# Altium PCB VM3300_V0.1.PcbDoc (continued)
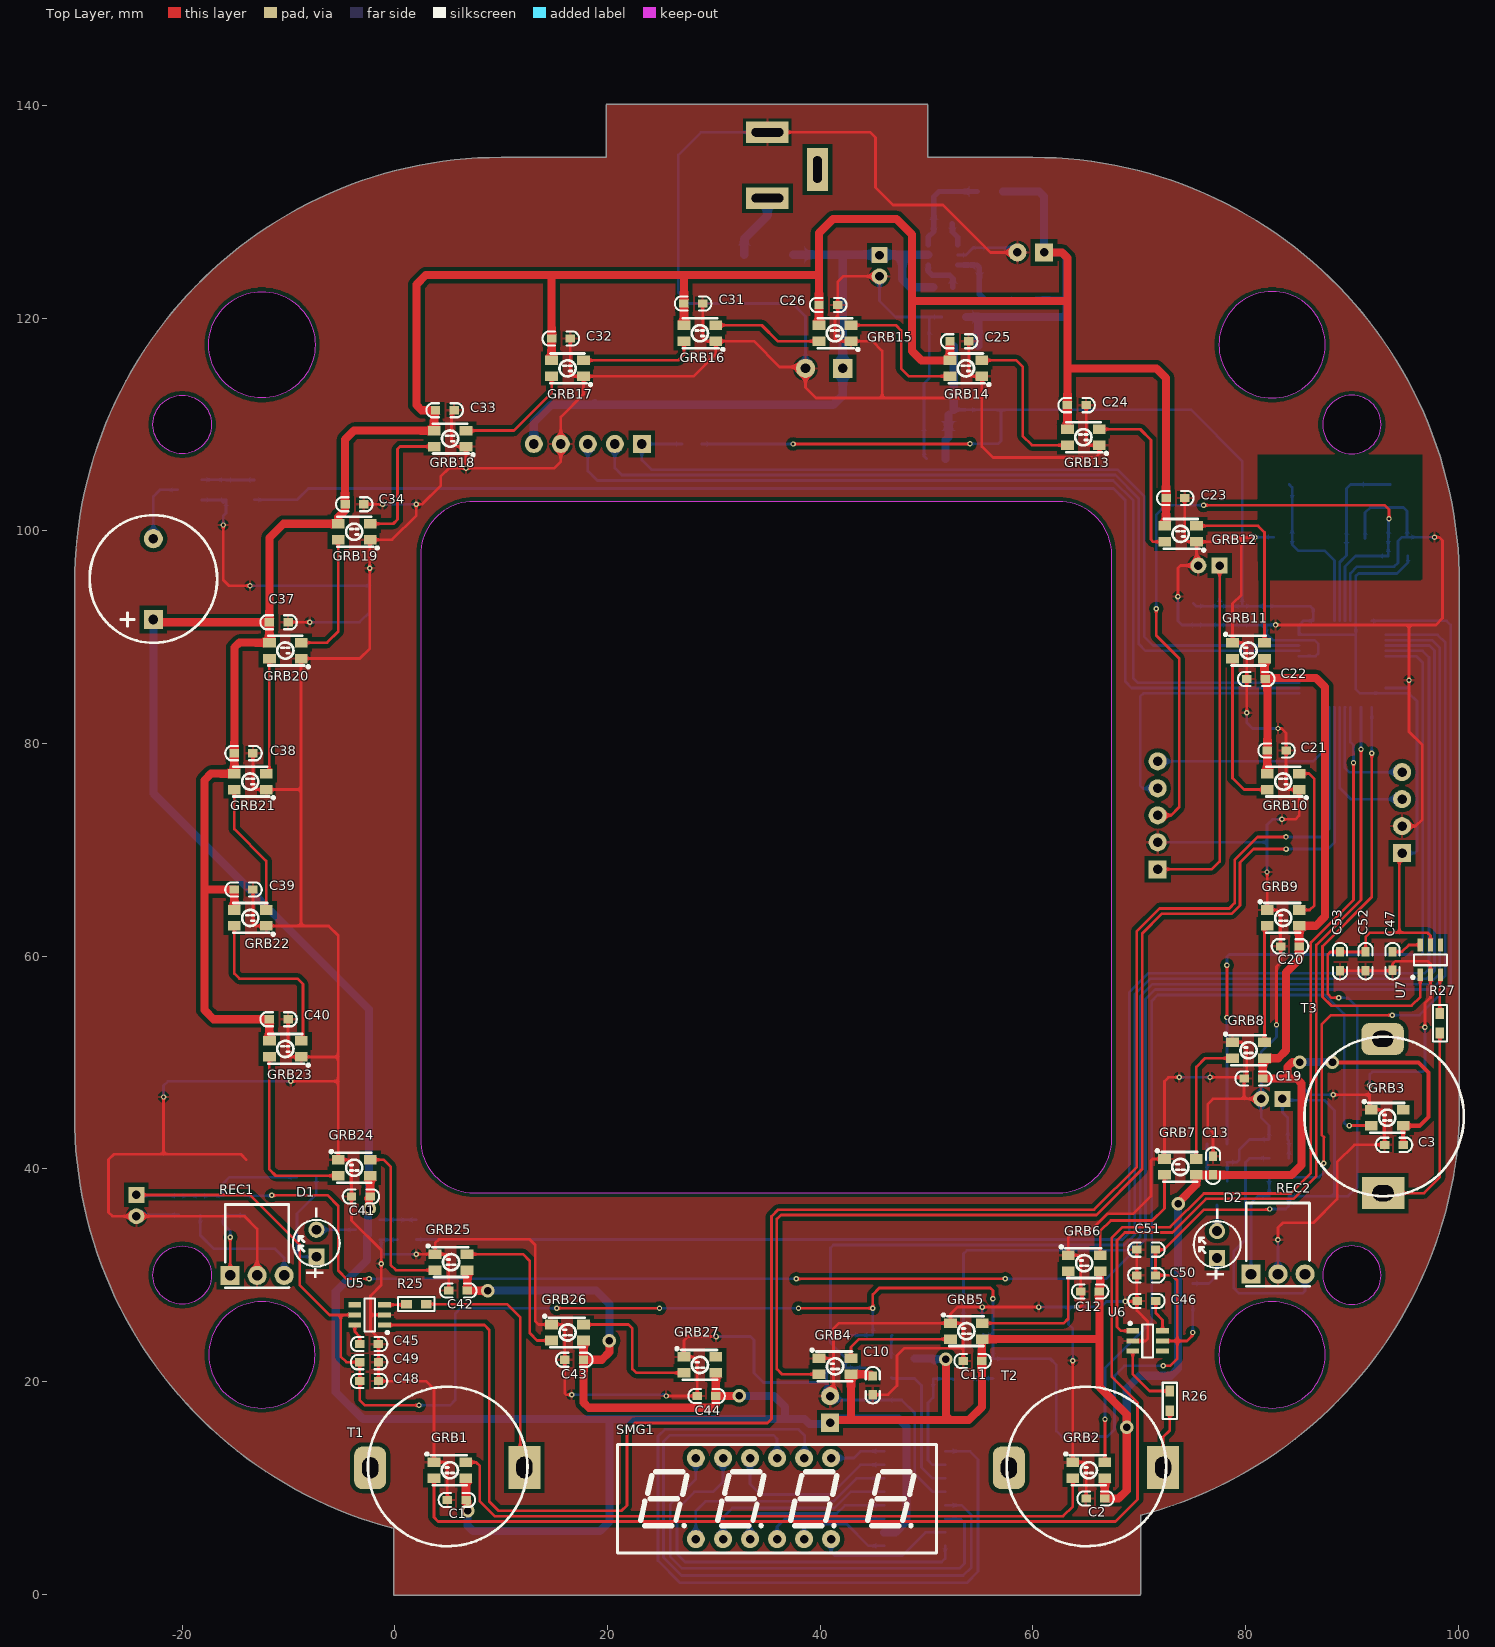
[diagram p0: Top Layer view]
## Footprints (in the part's own frame and the unit in brackets; to place one, negate y for a bottom-side part, rotate by r counter-clockwise, add the part's x,y. Pads: shape width x height; smd on the part's side, far side on the other; paste and mask are expansions set on the pad) (continued)
SWD_JOANLAB [mm] "接插件，5P"
  rect 1.7x1.7 hole 0.9: 1(10.16,0)
  round 1.7 hole 0.9: 2(7.62,0) 3(5.08,0) 4(2.54,0) 5(0,0)
  silkscreen extent -2.4,-3.45 12.6,2.49, body extent -2.5,-3.3 12.66,2.4, height 7.03
TH_Touch [mm]
  rect 4x3 hole 2 slot 1.5 at 90 deg: 1(-0.062,-13.535)
  rrect50% 4x3 hole 2 slot 1.5 at 90 deg: 2(-0.102,0.965)
  silkscreen extent -7.46,-13.82 7.54,1.17, body extent -7.53,-13.64 7.57,1.46, height 8
TK8021 [mm] "3x1.6x1.1mm(长宽高)"
  rect 0.5x1.2 smd: 1(-0.95,-1.4) 2(0,-1.4) 3(0.95,-1.4) 4(0.95,1.4) 5(0,1.4) 6(-0.95,1.4)
  silkscreen extent -1.78,-1.78 1.55,0.51, body extent -1.5,-1.4 1.5,1.4, height 1.15
TM1650 [mm]
  oval 1.745x0.56 smd: 1(-2.872,4.572) 2(-2.872,3.302) 3(-2.872,2.032) 4(-2.872,0.762) 5(-2.872,-0.508) 6(-2.872,-1.778) 7(-2.872,-3.048) 8(-2.872,-4.318) 9(2.872,-4.318) 10(2.872,-3.048) 11(2.872,-1.778) 12(2.872,-0.508) 13(2.872,0.762) 14(2.872,2.032) 15(2.872,3.302) 16(2.872,4.572)
  silkscreen extent -3.02,-4.95 1.77,5.45, body extent -3,-4.87 3,5.13, height 1.9
WS2812B-3528 [mm] "外观尺寸（L/W/H）:3.5*2.8*1.9mm"
  rect 1.2x0.9 smd: 1(-1.5,0.75) 2(-1.5,-0.75) 3(1.5,-0.75) 4(1.5,0.75)
  silkscreen extent -1.6,-1.65 2.29,1.4, body extent -1.75,-1.4 1.75,1.4, height 1.85
XH2.54-4P [mm] "接插件，4P"
  rect 1.7x1.7 hole 0.9: 1(0,0)
  round 1.7 hole 0.9: 2(2.54,0) 3(5.08,0) 4(7.62,0)
  silkscreen extent -2.49,-3.45 9.88,2.49, body extent -2.5,-3.3 10.12,2.4, height 7.03
XH2.54-5P [mm] "接插件，5P"
  rect 1.7x1.7 hole 0.9: 1(0,0)
  round 1.7 hole 0.9: 2(2.54,0) 3(5.08,0) 4(7.62,0) 5(10.16,0)
  silkscreen extent -2.4,-3.45 12.6,2.49, body extent -2.5,-3.3 12.66,2.4, height 7.03
"XTAL-49S SMD" [mm]
  rect 5x2 smd: 1(-4.75,0) 2(4.75,0)
  silkscreen extent -5.7,-2.4 5.7,2.4, body extent -6.7,-2.46 6.7,2.44, height 4

## Part data
B1: library part BEEP, "蜂鸣器", 学习资源=www.o
C1 C2 C3 C4 C5 C6 C7 C8 C9 C10 C11 C12 C13 C14 C15 C16 C17 C18 C19 C20 C21 C22 C23 C24 C25 C26 C27 C28 C30 C31 C32 C33 C34 C35 C36 C37 C38 C39 C40 C41 C42 C43 C44 C45 C46 C47 C48 C49 C50 C51 C52 C53: library part C, "无极性贴片电容", 学习资源=www.o
CON1: library part P-DC, "低压电源接口", BOM名称=DC, 学习资源=www.o
D1 D2: "红外发射管"
E1 E2 E3 E4 E5 E6 E7: library part C-CAP, "直插电解电容", 学习资源=www.o
JP1 SWD1: library part "Header 5", "5P接插件", BOM名称=5, 学习资源=www.o
L1: library part L-CD, "贴片功率电感", 学习资源=www.o
Q1 Q2: "N-MOS"
Q3 Q4 Q5: library part NPN
R1 R2 R3 R4 R5 R6 R7 R8 R9 R10 R11 R12 R13 R14 R15 R16 R17 R18 R19 R20 R21 R22 R23 R24 R25 R26 R27 R30: library part R, "贴片电阻", 学习资源=www.o
REC1 REC2: "红外接收管"
SMG1: "JOANLAB-0.28寸4位共阴数码管"
T1 T2 T3: "触摸弹簧，用于触摸感应"
U1: "STM32F030采用ARM Cortex内核，运算速度高达48 MHz。STM32F030是STM32系列中价格最低的产品，具有全套外设，例如高Ë"
U2: "DC-DC电源芯片  24-40V->5V"
U3: "转3.3V电压"
U4: "TM1650是一种带键盘扫描接口的LED（发光二极管显示器）驱动控制专用IC,内部集成有MCU / 数"
U5 U6 U7: library part TTP2233, "单通道自校正触摸感应芯片"
UART: library part "Header 4", "4P接插件", BOM名称=4, 学习资源=www.o
VD1: "肖特基二极管"
Y1: library part XTAL-2, "2脚晶振", 学习资源=www.o

## Via types
v1: diameter 0.508, hole 0.254, Top Layer to Bottom Layer, tented both sides, 66 vias
v2: diameter 1.27, hole 0.711, Top Layer to Bottom Layer, tented both sides, 10 vias

## Nets (pads, with @x,y where several pads share a name; then routed paths per layer and width w, separated by ;. In a path a pad name is that pad's centre, name@x,y a point inside that pad or via, vN(x,y) a via of type N, cw(c..) or ccw(c..) an arc to the next point about the centre after c; other vN are vias at no path point)
3.3V: C5.2 C6.2 C7.2 C8.2 C16.2 C17.2 C35.1 C36.1 C48.2 C49.2 C50.2 C51.2 C52.2 C53.2 E2.1 E5.1 E6.1 R1.2 R5.2 R6.2 R7.2 R9.2 R11.2 R12.2 R13.1 R14.1 R17.2 R18.2 R30.2 SWD1.1 U1.1 U1.9 U1.24 U1.48 U3.2 U5.5 U6.5 U7.5 UART.1 | length 450.2
  Top Layer w0.254: E5.1 -13.608,37.542 -8.96,32.894 -8.96,29.083 -6.132,26.255 -5.094,26.255 ; U5.5 -5.094,26.255 ; v1(2.272,17.755) -2.818,17.755 -3.291,18.228 C48.2 C49.2 -4.548,21.81 -5.094,22.356 -5.094,26.255 ; v1(15.226,26.89) v1(24.892,26.89) ; v1(37.451,108.17) 54.075,108.17 v1(54.088,108.182) ; v1(37.959,26.89) v1(44.958,26.89) 44.958,28.196 45.557,28.795 55.996,28.795 56.247,28.544 v1(56.247,27.779) ; SWD1.1 76.821,68.165 77.567,68.911 E2.1 ; U6.5 73.595,23.809 ; v1(72.263,21.463) 72.906,21.463 73.595,22.152 73.595,23.809 ; v1(75.043,24.604) 75.043,24.35 74.502,23.809 73.595,23.809 ; v1(82.28,36.223) 82.217,36.161 76.107,36.161 72.34,32.394 C51.2 C50.2 73.087,29.981 73.595,29.473 73.595,23.809 ; v1(88.781,56.1) 88.063,56.1 87.743,56.42 87.743,60.164 87.971,60.392 C53.2 C52.2 91.299,61.815 91.68,62.196 94.474,62.196 ; UART.1 94.474,69.435 94.474,62.196 ; U7.5 97.395,61.942 97.141,62.196 94.474,62.196
  Bottom Layer w0.254: E5.1 -24.233,37.469 R17.2 R11.2 -16.143,38.603 -15.537,39.209 R13.1 ; v1(2.272,17.755) 5.194,17.755 5.68,18.241 5.68,26.382 6.188,26.89 v1(15.226,26.89) ; v1(24.892,26.89) v1(37.959,26.89) ; R30.2 v1(37.451,108.17) ; R9.2 R6.2 44.958,24.402 v1(44.958,26.89) ; C16.2@51.776,108.525 C16.2 C16.2@52.145,108.716 ; U3.2@52.056,110.885 52.564,111.393 57.009,111.393 ; v1(54.088,108.182) 56.729,108.182 57.009,108.462 57.009,111.393 ; R7.2 55.394,24.35 56.247,24.35 ; v1(56.247,27.779) 56.247,24.35 ; v1(72.263,21.463) 68.608,21.463 67.677,20.532 67.677,15.494 67.007,14.825 62.731,14.825 62.216,15.34 62.216,21.556 61.638,22.133 R5.2 56.247,24.35 ; v1(75.043,24.604) R14.1 ; C8.2@75.093,93.184 C8.2 C7.2 ; E2.1 77.567,92.939 C7.2 ; v1(82.28,36.223) 83.781,36.223 84.08,36.522 R12.2 88.378,37.431 ; R18.2 84.08,42.654 C36.1 83.969,44.82 83.473,45.316 E6.1 83.6,46.448 87.42,46.448 88.378,45.49 88.378,37.431 ; v1(88.781,56.1) 89.605,56.1 90.517,55.187 90.517,38.3 89.648,37.431 88.378,37.431 ; UART.1 95.915,69.689 96.125,69.898 96.125,83.973 95.379,84.719 U1.24 90.783,84.719 90.364,85.137 90.364,90.136 ; R1.2 95.274,97.032 94.233,95.991 90.626,95.991 90.364,95.729 U1.9 90.364,90.136 ; 57.009,111.393 74.855,111.393 79.691,106.557 C6.2 ; C7.2 C6.2 ; C6.2 C5.2 86.117,92.904 86.364,92.657 U1.1 85.466,91.542 85.041,91.117 U1.48 90.281,90.219 90.364,90.136
  Bottom Layer w0.762: C17.2 C16.2@51.776,108.525 ; C16.2 U3.2@52.056,110.885 ; U3.2@52.564,111.393 U3.2@52.564,117.393
5V: B1.1 C1.2 C2.2 C3.2 C10.2 C11.2 C12.2 C13.2 C15.2 C19.2 C20.2 C21.2 C22.2 C23.2 C24.2 C25.2 C26.2 C30.2 C31.2 C32.2 C33.2 C34.2 C37.2 C38.2 C39.2 C40.2 C41.2 C42.2 C43.2 C44.2 E3.1 E4.1 GRB1.1 GRB2.1 GRB3.1 GRB4.1 GRB5.1 GRB6.1 GRB7.1 GRB8.1 GRB9.1 GRB10.1 GRB11.1 GRB12.1 GRB13.1 GRB14.1 GRB15.1 GRB16.1 GRB17.1 GRB18.1 GRB19.1 GRB20.1 GRB21.1 GRB22.1 GRB23.1 GRB24.1 GRB25.1 GRB26.1 GRB27.1 L1.2 R2.2 R8.2 R10.2 U3.3 U4.10 | length 727.2
  Top Layer w0.381: GRB1.1 GRB1.1@6.691,10.879 ; C1.2 C1.2@6.844,8.703 ; v2(88.183,50.004) 96.252,50.004 97.191,49.064 97.191,44.887 96.351,44.047 GRB3.1 94.829,44.045 C3.2
  Top Layer w0.762: B1.1 -22.461,91.406 C37.2 ; GRB22.1 -15.102,64.344 C39.2 -17.921,66.26 ; GRB23.1 -11.8,52.025 C40.2 -17.044,54.068 -17.921,54.945 -17.921,66.26 ; v2(-2.427,36.223) -2.427,37.078 -2.54,37.191 C41.2 -2.326,39.346 GRB24.1 ; C1.2 GRB1.1@6.691,10.879 ; GRB25.1 6.818,30.434 C42.2 v2(8.749,28.541) ; v2(6.844,7.84) C1.2@6.844,8.703 ; GRB17.1 14.743,116.033 C32.2 14.743,123.943 14.845,124.045 ; GRB26.1@17.754,23.842 GRB26.1 17.74,23.852 C43.2 ; v2(20.179,23.842) 20.179,22.762 19.455,22.038 C43.2 ; GRB16.1 27.189,119.335 C31.2 27.189,124.019 27.164,124.045 ; GRB27.1 30.186,20.804 C44.2 ; v2(32.371,18.635) C44.2 ; 39.864,124.045 27.164,124.045 ; GRB15.1 39.889,119.335 C26.2 39.889,128.007 41.214,129.332 47.184,129.332 48.641,127.875 48.641,121.632 ; E4.1@40.928,16.365 42.912,16.365 ; C10.2 44.789,20.669 GRB4.1 42.896,16.381 42.912,16.365 ; v2@52.021,22.098 v2(51.816,22.098) 51.816,16.76 52.07,16.506 51.929,16.365 ; C25.2 52.207,117.832 GRB14.1 49.525,116.034 48.641,116.918 48.641,121.632 ; E3.1 62.744,126.184 63.256,125.672 63.256,121.759 ; GRB13.1 63.256,115.282 ; GRB6.1 66.329,28.544 C12.2 66.254,23.98 ; GRB2.1 66.764,8.984 C2.2 68.058,8.983 68.836,9.761 v2(68.836,15.705) 68.836,16.891 66.254,19.473 66.254,23.98 ; GRB12.1 72.528,100.595 C23.2 72.528,114.367 71.614,115.282 63.256,115.282 ; v2(73.66,36.703) 73.66,36.793 75.374,38.507 GRB7.1 C13.2 84.316,39.42 85.262,40.366 85.262,40.752 85.284,40.774 85.284,48.018 84.822,48.48 83.933,48.48 ; GRB11.1 C22.2@81.784,86.163 ; GRB10.1 82.052,79.327 C21.2 82.065,85.882 C22.2 C22.2@81.784,86.163 ; v2(85.09,50.038) 84.413,50.038 83.933,49.558 83.933,48.48 ; -17.921,66.26 -17.921,76.547 -17.298,77.17 GRB21.1 -15.102,77.171 C38.2 -15.102,89.018 -14.631,89.489 GRB20.1 -11.8,89.49 C37.2 ; C37.2 -11.8,99.349 -10.484,100.665 GRB19.1 -5.324,101.293 -4.688,101.929 C34.2 -4.688,108.576 -3.836,109.428 GRB18.1 3.693,111.216 C33.2 2.518,111.345 2.018,111.845 2.018,123.156 2.907,124.045 14.845,124.045 ; 14.845,124.045 27.164,124.045 ; C43.2 17.74,18.025 18.239,17.526 29.865,17.526 30.186,17.847 C44.2 ; 42.912,16.365 51.929,16.365 ; 48.641,121.632 63.129,121.632 63.256,121.759 ; 51.929,16.365 53.977,16.365 55.205,17.593 C11.2 55.205,23.934 GRB5.1 66.254,23.98 ; 63.256,115.282 63.256,121.759 ; C22.2@81.784,86.163 86.642,86.163 87.489,85.316 87.489,63.72 86.612,62.843 GRB9.1 85.05,62.841 C20.2 85.05,59.68 83.818,58.448 83.818,51.13 83.084,50.397 GRB8.1 81.621,50.234 C19.2 83.933,48.48
  Bottom Layer w0.762: B1.1 -22.714,75.292 -2.427,55.005 v2(-2.427,36.223) ; v2@-2.54,36.035 -2.427,36.148 v2(-2.427,36.223) ; v2(6.844,7.84) 6.844,6.443 7.352,5.935 19.29,5.935 20.179,6.824 20.179,16.349 ; v2(8.749,28.541) 18.909,28.541 20.179,27.271 v2(20.179,23.842) ; v2(32.371,18.635) 35.673,18.635 36.689,17.619 36.689,16.565 ; U4.10 47.083,5.808 48.133,6.858 48.133,15.748 47.38,16.501 C30.2 41.314,16.501 E4.1 40.815,16.002 38.989,16.002 38.537,16.454 -2.992,16.454 -5.56,19.022 -5.56,28.456 -2.62,31.396 -2.62,33.706 -2.544,33.782 -2.544,34.758 -2.546,34.76 -2.546,36.104 v2(-2.427,36.223) ; R10.2 50.582,22.14 R8.2 50.762,21.961 50.899,22.098 v2(51.816,22.098) ; C15.2 54.977,120.108 ; U3.3 54.864,119.995 54.977,120.108 ; L1.2 60.565,131.919 61.053,131.431 E3.1 62.744,126.184 63.153,125.775 63.153,121.632 ; R2.2 63.118,121.666 63.153,121.632 ; v2(68.836,15.705) 68.836,19.352 70.024,20.54 72.994,20.54 73.66,21.206 v2(73.66,36.703) ; v2(85.09,50.038) 88.149,50.038 v2(88.183,50.004) ; 54.977,120.108 62.861,120.108 63.153,120.399 63.153,121.632
12V: E1.1 E7.1 JP1.5 R3.1 U2.5 VD1.2 | length 64
  Bottom Layer w0.8: JP1.5 13.067,110.222 14.698,111.853 18.655,111.853 ; 18.782,111.98 18.655,111.853 ; VD1.2 42.277,125.97 ; E1.1 45.542,125.97 42.277,125.97 ; E1.1@45.579,126.184 45.579,125.97 47.738,125.97 ; U2.5 50.127,125.97 47.738,125.97 ; R3.1 48.5,122.902 47.738,123.664 47.738,125.97 ; 18.655,111.853 41.233,111.853 42.122,112.742 E7.1 42.122,125.815 42.277,125.97
Beep: R19.1 U1.38 | length 116.5
  Bottom Layer w0.254: R19.1 -9.196,102.925 -8.142,103.979 67.593,103.979 68.693,102.879 68.693,85.818 69.292,85.219 U1.38
CW: JP1.3 U1.39 | length 87.5
  Bottom Layer w0.254: JP1.3 18.147,105.63 19.036,104.741 67.55,104.741 69.455,102.836 69.455,86.128 69.864,85.719 U1.39
D1: R20.1 U1.16 | length 152.7
  Bottom Layer w0.254: R20.1 68.415,33.343 69.074,34.002 69.074,56.608 70.852,58.386 96.847,58.386 97.268,58.806 97.268,87.977 97.268,88.104 96.653,88.719 U1.16
D2: R21.1 U1.17 | length 67.3
  Top Layer w0.254: v1(78.256,54.233) v1@78.279,54.256 ; v1(78.256,59.148) 78.256,54.279 v1@78.279,54.256 ; v1@78.345,54.322 v1@78.279,54.256
  Bottom Layer w0.254: R21.1 v1(78.256,54.233) ; v1(78.256,59.148) 78.256,59.948 78.472,60.164 96.506,60.164 96.681,60.339 96.681,87.596 96.058,88.219 U1.17
ETX_12V: CON1.1 VD1.1 | length 6.2
  Bottom Layer w0.8: VD1.1 32.865,127.46 35.038,129.633 CON1.1
FG: JP1.1 R30.1 U1.46 | length 82.1
  Bottom Layer w0.254: R30.1 JP1.1 23.227,106.66 24.13,105.757 67.971,105.757 70.471,103.256 70.471,90.057 71.309,89.219 U1.46
GND: C1.1 C2.1 C3.1 C5.1 C6.1 C7.1 C8.1 C9.1 C10.1 C11.1 C12.1 C13.1 C14.1 C15.1 C16.1 C17.1 C18.1 C19.1 C20.1 C21.1 C22.1 C23.1 C24.1 C25.1 C26.1 C27.1 C28.1 C30.1 C31.1 C32.1 C33.1 C34.1 C35.2 C36.2 C37.1 C38.1 C39.1 C40.1 C41.1 C42.1 C43.1 C44.1 C45.2 C46.2 C47.2 C48.1 C49.1 C50.1 C51.1 C52.1 C53.1 CON1.2 E1.2 E2.2 E3.2 E4.2 E5.2 E6.2 E7.2 GRB1.3 GRB2.3 GRB3.3 GRB4.3 GRB5.3 GRB6.3 GRB7.3 GRB8.3 GRB9.3 GRB10.3 GRB11.3 GRB12.3 GRB13.3 GRB14.3 GRB15.3 GRB16.3 GRB17.3 GRB18.3 GRB19.3 GRB20.3 GRB21.3 GRB22.3 GRB23.3 GRB24.3 GRB25.3 GRB26.3 GRB27.3 JP1.4 Q3.2 Q4.2 Q5.2 R4.1 R22.1 R23.1 R24.1 REC1.2 REC2.2 SWD1.2 U1.8 U1.23 U1.44 U1.47 U2.2 U3.1 U4.4 U5.2 U6.2 U7.2 UART.2 | length 971.2
  Top Layer w0.254: v1(-21.754,46.756) -21.754,41.358 ; v1(-16.143,100.551) -16.143,95.368 -15.61,94.835 v1(-13.622,94.835) ; -13.984,40.86 -14.492,41.368 -20.579,41.368 -20.588,41.358 -21.754,41.358 ; C39.1 -13.349,63.085 -13.107,62.843 GRB22.3 -8.825,62.843 ; C38.1 -13.349,75.924 -13.095,75.67 GRB21.3 -8.825,75.67 ; REC1.2 -12.954,34.33 -14.165,35.542 E5.2 -26.573,35.542 -26.938,35.907 -26.938,40.86 -26.44,41.358 -21.754,41.358 ; C40.1 -10.047,50.651 -9.92,50.524 GRB23.3 -5.324,50.524 ; C37.1 v1(-8.006,91.406) ; v1(-9.793,48.226) -5.324,48.226 ; -8.825,62.819 -8.825,62.843 ; C34.1 v1(-1.157,102.5) ; U5.2 -2.3,26.255 ; v1(2.018,31.97) GRB25.3 ; C1.1 4.939,12.285 4.824,12.4 GRB1.3 3.671,19.268 2.907,20.032 C48.1 C49.1 -1.538,24.096 -2.3,24.858 -2.3,26.255 ; C42.1 5.066,31.674 4.771,31.969 GRB25.3 ; C33.1 5.32,111.091 5.32,108.45 5.842,107.928 GRB18.3 v1(6.693,105.884) ; C32.1 16.496,114.774 16.738,114.532 GRB17.3 ; v1(16.623,18.762) 16.115,18.762 15.988,18.889 C43.1 15.988,25.112 15.746,25.354 GRB26.3 13.511,25.354 13.194,25.671 13.194,32.859 12.686,33.367 4.141,33.367 3.784,33.009 GRB25.3 ; v1(25.513,18.635) C44.1 28.434,21.937 28.065,22.306 GRB27.3 27.189,22.307 27.189,23.854 27.558,24.223 v1(30.212,24.223) ; C31.1 28.942,118.203 29.311,117.834 GRB16.3 ; CON1.2 44.713,137.484 45.198,136.999 45.198,132.3 46.849,130.649 51.548,130.649 56.013,126.184 E3.2 ; GRB4.3 41.239,22.169 41.261,22.191 ; E4.2@40.928,18.365 41.261,18.697 41.261,22.191 ; C10.1 46.386,18.762 47.23,19.605 47.23,22.445 47.899,23.114 53.291,23.114 53.453,22.953 ; E1.2 42.166,123.934 41.642,123.41 C26.1 41.642,120.238 41.388,119.984 41.388,118.076 41.63,117.834 GRB15.3 44.932,117.834 45.833,116.933 45.833,112.488 ; C11.1 53.453,22.953 ; C25.1 53.961,114.774 54.201,114.534 GRB14.3 55.207,112.543 ; v1(60.565,26.994) v1(55.231,26.994) 52.922,26.994 52.251,26.323 GRB5.3 ; v1@63.764,22.017 v1(63.764,21.961) GRB2.3 64.768,12.4 65.01,12.158 C2.1 ; v1(64.121,27.017) 64.502,27.017 64.629,27.144 64.629,28.342 C12.1 64.502,31.642 64.268,31.876 GRB6.3 63.329,33.558 63.773,34.002 65.229,34.002 67.007,35.78 69.455,35.78 71.106,37.431 71.106,40.757 71.27,40.921 GRB7.3 72.374,48.224 72.757,48.607 v1(73.773,48.607) ; C24.1 65.01,108.182 65.137,108.055 GRB13.3 66.256,107.274 65.881,106.9 56.247,106.9 55.207,107.94 55.207,112.543 ; v1(68.693,27.528) 69.737,27.528 C46.2@69.785,27.576 ; U6.2 70.598,23.809 70.801,24.012 70.801,25.663 69.785,26.679 C46.2@69.785,27.576 ; C51.1 C50.1 C46.2@69.785,27.576 ; C46.2 C46.2@69.785,27.576 ; v1(73.646,93.819) 73.646,96.486 73.9,96.74 E2.2 75.4,96.907 GRB12.3 ; C23.1 74.281,99.28 74.594,98.966 GRB12.3 ; v1(76.666,48.607) 79.742,48.607 C19.1 ; C13.1 76.948,43.4 76.44,43.908 76.44,46.067 76.948,46.575 79.869,46.575 ; GRB8.3 79.627,51.897 80.123,51.401 80.123,48.734 C19.1 ; v1(80.123,82.897) C22.1 80.123,89.12 79.754,89.489 GRB11.3 78.784,93.152 79.615,93.983 79.615,99.381 ; v1(80.889,99.381) 79.615,99.381 ; E6.2 79.869,46.575 ; v1(82.028,67.911) 82.052,67.887 GRB9.3 82.929,64.343 83.298,63.974 C20.1 83.298,59.39 82.917,59.009 v1(82.917,53.56) ; v1(82.828,91.152) 95.379,91.152 ; v1(83.052,33.324) 83.052,34.465 83.512,34.925 86.394,34.925 88.625,37.156 88.625,40.628 90.254,42.257 C3.1 93.077,45.305 92.835,45.547 GRB3.3 91.68,45.698 91.68,46.956 ; v1(83.058,81.407) 83.402,81.407 83.818,80.992 C21.1 83.818,75.9 84.048,75.67 GRB10.3 85.052,73.221 84.695,72.864 v1(83.425,72.864) ; v1(88.251,46.956) 91.68,46.956 ; C53.1 C52.1 93.813,58.64 C47.2 93.839,59.275 94.093,59.529 97.141,59.529 97.395,59.275 U7.2 97.395,56.1 96.875,55.58 v1(96.875,53.306) ; v1(91.68,47.845) 91.68,46.956 ; UART.2 95.998,72.229 96.633,72.864 96.633,79.849 95.379,81.102 v1(95.379,85.945) 95.379,91.152 ; v1(97.776,99.407) 98.218,99.407 98.538,99.087 98.538,91.787 97.903,91.152 95.379,91.152 ; -8.825,62.843 -6.224,62.843 -5.324,61.943 -5.324,50.524 ; -8.825,62.843 -8.825,75.67 ; -8.825,75.67 -8.825,87.965 GRB20.3 -3.304,87.989 -2.355,88.938 v1(-2.355,96.486) -2.355,99.134 GRB19.3 -0.256,99.165 2.018,101.439 v1(2.018,102.5) 2.572,102.5 4.304,104.233 4.304,105.122 5.066,105.884 v1(6.693,105.884) ; -5.324,48.226 -5.324,50.524 ; -5.324,48.226 GRB24.3 -4.339,40.848 -4.078,40.587 C41.1 -4.078,35.145 -1.284,32.351 v1(-1.284,31.081) -1.284,29.071 -2.3,28.055 -2.3,26.255 ; v1(6.693,105.884) 14.972,105.884 15.607,106.519 JP1.4 15.607,110.71 17.742,112.845 GRB17.3 ; GRB17.3 28.065,114.532 30.188,116.655 GRB16.3 ; GRB16.3 33.756,117.834 36.181,115.409 38.495,115.409 E7.2 38.622,113.476 39.61,112.488 45.833,112.488 ; 41.261,22.191 41.261,24.973 41.768,25.48 GRB5.3 ; 45.833,112.488 55.152,112.488 55.207,112.543 ; GRB5.3 53.221,25.48 53.453,25.248 53.453,22.953 ; GRB12.3 77.396,98.966 77.811,99.381 79.615,99.381 ; 79.869,46.575 C19.1
  Bottom Layer w0.254: E5.2 -24.17,35.678 C35.2 ; v1(-21.754,46.756) -21.754,47.822 -21.35,48.226 v1(-9.793,48.226) ; Q3.2 R22.1@-15.912,102.902 ; v1(-16.143,100.551) -16.143,101.412 -15.889,101.666 R22.1 R22.1@-15.912,102.902 ; R22.1@-16.143,102.671 R22.1@-15.912,102.902 ; v1(-13.622,94.835) -2.355,94.835 ; v1(-8.006,91.406) -3.316,91.406 -2.355,92.367 -2.355,94.835 ; v1(-2.355,96.486) -2.355,94.835 ; v1(-1.284,31.081) -1.284,32.137 ; v1(-1.157,102.5) v1(2.018,102.5) ; R23.1 0.217,33.32 Q4.2 -1.284,33.193 -1.284,32.137 ; v1(2.018,31.97) -1.117,31.97 -1.284,32.137 ; v1(16.623,18.762) 25.386,18.762 v1(25.513,18.635) ; v1(30.212,24.223) 33.452,24.223 33.768,23.907 33.768,20.794 34.657,19.905 40.626,19.905 ; CON1.2 28.772,137.484 26.656,135.368 26.656,122.394 27.672,121.378 37.418,121.378 38.622,120.174 E7.2 ; C28.1 40.626,19.905 ; E4.2@40.803,18.49 40.626,18.667 40.626,19.905 ; E4.2 41.289,18.254 C30.1 47.659,18.254 48.895,17.018 48.895,11.309 50.586,9.618 U4.4 ; E1.2 45.579,121.632 47.103,120.108 50.405,120.108 ; C17.1 49.77,107.027 C16.1 49.77,113.86 50.264,114.354 U3.1 50.264,119.967 50.405,120.108 ; C15.1 50.405,120.108 ; U2.2 53.707,125.95 54.38,126.623 R4.1 58.114,126.623 E3.2 ; C27.1 v1(55.231,26.994) ; v1(60.565,26.994) 63.359,26.994 ; v1(63.764,21.961) 63.764,24.961 63.359,25.366 63.359,26.994 ; v1(68.693,27.528) 66.912,27.528 66.4,27.017 v1(64.121,27.017) 64.098,26.994 63.359,26.994 ; 72.757,70.705 82.028,70.705 ; v1(73.646,93.819) 73.646,91.533 74.027,91.152 C8.1 C7.1 C6.1 81.913,91.152 81.945,91.184 81.945,90.346 82.572,89.719 U1.47 86.503,89.719 86.854,89.368 86.854,88.485 86.588,88.219 U1.44 ; v1(73.773,48.607) v1(76.666,48.607) ; Q5.2 78.279,40.583 R24.1 79.135,40.606 79.424,40.895 79.424,41.803 80.386,42.765 C36.2 82.216,44.076 81.473,44.82 E6.2 81.473,48.226 ; v1(80.123,82.897) 80.123,81.949 80.665,81.407 v1(83.058,81.407) ; v1(80.889,99.381) 80.915,99.407 C14.1 ; C5.1 v1(82.828,91.152) ; v1(82.028,67.911) 82.028,70.705 ; v1(82.917,53.56) 82.917,52.411 81.473,50.966 81.473,48.226 ; v1(83.052,33.324) 83.058,33.318 REC2.2 ; v1(83.425,72.864) 82.536,72.864 82.028,72.356 82.028,70.705 ; v1(88.251,46.956) 86.092,46.956 84.822,48.226 81.473,48.226 ; U1.8 89.864,95.991 90.502,96.629 93.982,96.629 94.347,96.994 94.347,99.026 94.728,99.407 C9.1 ; C18.1 91.248,101.711 91.737,102.201 94.855,102.201 95.198,101.858 C9.1 ; v1(91.68,47.845) 91.68,48.861 91.934,49.115 96.633,49.115 96.875,49.357 v1(96.875,53.306) ; U1.23 95.148,85.219 95.379,85.449 v1(95.379,85.945) ; v1(97.776,99.407) C9.1
GRID1: SMG1.12 U4.6 | length 44.4
  Bottom Layer w0.254: SMG1.12 28.307,10.843 25.894,8.43 25.894,3.522 26.988,2.427 53.12,2.427 53.58,2.887 53.58,6.697 53.199,7.078 U4.6
GRID2: SMG1.9 U4.5 | length 61.6
  Bottom Layer w0.254: SMG1.9 35.947,14.599 35.594,14.952 25.865,14.952 25.259,14.345 25.259,3.438 26.953,1.744 53.453,1.744 54.215,2.506 54.215,7.459 53.326,8.348 U4.5
GRID3: SMG1.8 U4.1 | length 73.5
  Bottom Layer w0.254: SMG1.8 38.551,12.857 38.551,14.916 37.973,15.494 25.4,15.494 24.751,14.845 24.751,3.141 26.823,1.069 53.794,1.069 54.85,2.125 54.85,12.666 54.088,13.428 U4.1
GRID4: SMG1.6 U4.7 | length 13
  Bottom Layer w0.254: SMG1.6 41.027,3.984 41.41,3.6 47.689,3.6 49.897,5.808 U4.7
IR1: R15.2 U1.13 | length 182
  Top Layer w0.254: v1(-11.571,37.5) -6.307,37.5 -5.324,36.518 -5.324,30.422 -4.55,29.647 v1(-2.427,29.647) ; v1(37.741,29.647) v1(57.404,29.647)
  Bottom Layer w0.254: R15.2 -11.603,37.469 v1(-11.571,37.5) ; v1(-2.427,29.647) v1(37.741,29.647) ; v1(57.404,29.647) 66.874,29.647 70.598,33.37 70.598,55.976 71.483,56.862 97.478,56.862 98.792,58.175 98.792,88.612 98.792,89.501 98.074,90.219 U1.13
IR2: R16.2 U1.12 | length 72.6
  Top Layer w0.254: v1(87.35,40.513) 87.35,42.945 87.376,42.971 87.167,43.18 87.167,53.557 88.059,54.449 v1(93.813,54.449)
  Bottom Layer w0.254: R16.2 86.935,39.209 87.35,39.624 v1(87.35,40.513) ; U1.12 91.873,91.533 98.919,91.533 99.3,91.152 99.3,57.37 96.379,54.449 v1(93.813,54.449)
NetB1_2: B1.2 Q3.3 | length 6.5
  Bottom Layer w0.254: B1.2 -22.714,103.25 -22.112,103.852 Q3.3
NetC4_1: C4.1 U2.1 | length 2.2
  Bottom Layer w0.508: C4.1 52.437,128.112 52.948,127.601 U2.1
NetC4_2: C4.2 L1.1 U2.6 | length 9.1
  Bottom Layer w0.508: U2.6 50.148,127.635 50.684,128.172 C4.2 50.684,131.436 51.167,131.919 L1.1
NetC45_1: C45.1 U5.6 | length 2
  Top Layer w0.254: U5.6 -3.766,24.672 -3.316,24.223 C45.1
NetC46_1: C46.1 U6.6 | length 3.1
  Top Layer w0.254: C46.1 71.563,26.425 72.201,25.787 U6.6
NetC47_1: C47.1 U7.6 | length 2.9
  Top Layer w0.254: C47.1 94.728,60.418 95.366,61.056 U7.6
NetD1_1: D1.1 R13.2 | length 9.8
  Bottom Layer w0.254: R13.2 -7.407,37.591 -9.196,35.802 -9.196,32.12 -8.806,31.73 D1.1
NetD1_2: D1.2 Q4.3 | length 3.7
  Bottom Layer w0.254: D1.2 Q4.3
NetD2_1: D2.1 R14.2 | length 4.2
  Bottom Layer w0.254: R14.2 76.554,29.214 77.329,29.988 D2.1
NetD2_2: D2.2 Q5.3 | length 2.4
  Bottom Layer w0.254: D2.2 Q5.3
NetQ1_1: Q1.1 R5.1 | length 1.9
  Bottom Layer w0.254: Q1.1 54.499,20.279 R5.1
NetQ2_1: Q2.1 R6.1 | length 2.1
  Bottom Layer w0.254: Q2.1 46.698,24.288 R6.1
NetQ3_1: Q3.1 R19.2 R22.2 | length 5
  Bottom Layer w0.254: Q3.1 -15.912,104.802 R22.2 R19.2
NetQ4_1: Q4.1 R20.2 R23.2 | length 3.4
  Bottom Layer w0.254: Q4.1 -1.388,35.197 R23.2 R20.2
NetQ5_1: Q5.1 R21.2 R24.2 | length 3.5
  Bottom Layer w0.254: Q5.1 76.379,42.313 R21.2
NetR2_1: R2.1 R4.2 U2.3 | length 8.4
  Bottom Layer w0.508: U2.3 54.746,125 R4.2 54.977,122.267 55.577,121.666 R2.1
NetR3_2: R3.2 U2.4 | length 4
  Bottom Layer w0.508: U2.4 50.148,124.429 50.532,124.045 52.183,124.045 52.475,123.753 R3.2
NetR11_1: R11.1 R15.1 REC1.1 | length 8
  Top Layer w0.254: REC1.1 -15.494,33.559 v1(-15.483,33.57)
  Bottom Layer w0.254: v1(-15.483,33.57) -15.483,34.149 -16.143,34.81 R11.1 R15.1
NetR12_1: R12.1 R16.1 REC2.1 | length 10.4
  Bottom Layer w0.254: REC2.1 80.518,36.774 81.175,37.431 R12.1 R16.1
NetR17_1: R17.1 REC1.3 | length 12.3
  Bottom Layer w0.254: R17.1 -18.302,33.748 -17.026,32.472 -11.252,32.472 -10.414,31.634 REC1.3
NetR18_1: R18.1 REC2.3 | length 23.2
  Bottom Layer w0.254: R18.1 80.376,40.986 79.996,40.606 79.996,33.324 78.899,32.227 78.899,28.797 79.409,28.287 85.362,28.287 85.598,28.523 REC2.3
NetR25_1: R25.1 T1.1 | length 23.6
  Top Layer w0.254: R25.1 10.527,27.271 11.797,26.001 11.797,12.287 T1.1
NetR25_2: R25.2 U5.3 | length 2.1
  Top Layer w0.254: U5.3 1.025,27.205 R25.2
NetR26_1: R26.1 T2.1 | length 5.6
  Top Layer w0.254: T2.1 72.249,14.775 72.884,15.41 R26.1
NetR26_2: R26.2 U6.3 | length 6.3
  Top Layer w0.254: U6.3 69.401,20.668 70.971,19.097 R26.2
NetR27_1: R27.1 T3.1 | length 19.5
  Top Layer w0.254: T3.1 96.789,37.714 98.284,39.209 R27.1
NetR27_2: R27.2 U7.3 | length 3.7
  Top Layer w0.254: R27.2 98.284,58.195 U7.3
NRST: C9.2 R1.1 SWD1.3 U1.7 | length 67.2
  Top Layer w0.254: v1(71.614,92.676) 71.614,90.136 73.773,87.977 73.773,74.007 73.011,73.245 SWD1.3 ; v1(76.059,102.414) 93.082,102.414 93.5,101.997 v1(93.5,101.142)
  Bottom Layer w0.254: v1(71.614,92.676) 71.614,101.525 72.503,102.414 v1(76.059,102.414) ; U1.7 89.364,96.629 90.364,97.629 R1.1 93.42,99.381 C9.2 93.445,101.142 v1(93.5,101.142)
O1: GRB1.2 GRB2.4 | length 64.2
  Top Layer w0.254: GRB1.2 7.618,12.4 7.987,12.031 7.987,8.729 9.384,7.332 62.851,7.332 63.764,8.245 GRB2.4
O2: GRB2.2 GRB3.4 | length 77.2
  Top Layer w0.254: GRB2.2 66.788,12.424 v1(66.788,16.454) ; v1(89.755,44.067) 91.811,44.067 GRB3.4
  Bottom Layer w0.254: v1(66.788,16.454) 66.788,21.244 71.182,25.638 71.182,55.795 71.741,56.354 87.482,56.354 89.281,54.555 89.281,44.323 89.537,44.067 v1(89.755,44.067)
O3: GRB4.2 GRB5.4 | length 10.7
  Top Layer w0.254: GRB4.2 42.896,23.238 43.638,23.98 GRB5.4
O4: GRB5.2 GRB6.4 | length 12.7
  Top Layer w0.254: GRB5.2 62.914,25.48 63.329,25.895 GRB6.4
O5: GRB6.2 GRB7.4 | length 12.3
  Top Layer w0.254: GRB6.2 66.329,34.136 67.338,35.145 71.233,35.145 72.374,36.286 GRB7.4
O6: GRB7.2 GRB8.4 | length 12.4
  Top Layer w0.254: GRB7.2 75.374,49.573 76.198,50.397 GRB8.4
O7: GRB8.2 GRB9.4 | length 11.1
  Top Layer w0.254: GRB8.2 81.784,62.575 GRB9.4
O8: GRB9.2 GRB10.4 | length 15.1
  Top Layer w0.254: GRB9.2 86.036,64.343 86.473,64.779 86.473,76.674 85.977,77.17 GRB10.4
O9: GRB10.2 GRB11.4 | length 15
  Top Layer w0.254: GRB11.4 78.784,76.743 79.857,75.67 GRB10.2
O10: GRB11.2 GRB12.4 | length 17
  Top Layer w0.254: GRB12.4 81.182,100.466 81.784,99.865 GRB11.2
O11: GRB12.2 GRB13.4 | length 16
  Top Layer w0.254: GRB13.4 70.102,109.555 71.106,108.551 71.106,99.177 71.316,98.966 GRB12.2
O12: GRB13.2 GRB14.4 | length 15.2
  Top Layer w0.254: GRB14.4 58.451,116.034 59.041,115.444 59.041,108.932 59.918,108.055 GRB13.2
O13: GRB14.2 GRB15.4 | length 13.4
  Top Layer w0.254: GRB15.4 47.115,119.334 47.611,118.838 47.611,115.282 48.359,114.534 GRB14.2
O14: GRB15.2 GRB16.4 | length 10.3
  Top Layer w0.254: GRB16.4 34.504,119.334 36.004,117.834 GRB15.2
O15: GRB16.2 GRB17.4 | length 10.9
  Top Layer w0.254: GRB17.4 26.654,116.032 27.188,116.566 GRB16.2
O16: GRB17.2 GRB18.4 | length 11.1
  Top Layer w0.254: GRB18.4 11.197,109.428 14.742,112.973 GRB17.2
O17: GRB18.2 GRB19.4 | length 12.9
  Top Layer w0.254: GRB19.4 -0.153,100.665 0.24,101.058 0.24,107.678 0.489,107.928 GRB18.2
O18: GRB19.2 GRB20.4 | length 12.5
  Top Layer w0.254: GRB20.4 -6.376,89.489 -5.324,90.541 GRB19.2
O19: GRB20.2 GRB21.4 | length 10.9
  Top Layer w0.254: GRB21.4 -11.801,77.472 GRB20.2
O20: GRB21.2 GRB22.4 | length 12.6
  Top Layer w0.254: GRB21.2 -15.103,71.951 -12.103,68.951 GRB22.4
O21: GRB22.2 GRB23.4 | length 16.8
  Top Layer w0.254: GRB22.2 -15.103,58.362 -14.619,57.878 -9.158,57.878 -8.65,57.37 -8.65,52.175 GRB23.4
O22: GRB23.2 GRB24.4 | length 17.3
  Top Layer w0.254: GRB23.2 -11.801,39.947 -11.202,39.348 GRB24.4
O23: GRB24.2 GRB25.4 | length 15.8
  Top Layer w0.254: GRB24.2 -1.037,40.848 -0.395,40.206 -0.395,30.954 0.09,30.469 GRB25.4
O24: GRB25.2 GRB26.4 | length 15.3
  Top Layer w0.254: GRB25.2 12.051,31.969 12.686,31.335 12.686,24.545 13.377,23.854 GRB26.4
O25: GRB26.2 GRB27.4 | length 13.6
  Top Layer w0.254: GRB26.2 21.969,25.354 22.338,24.985 22.338,21.175 22.707,20.806 GRB27.4
OSC_IN: C14.2 U1.5 Y1.2 | length 16
  Bottom Layer w0.254: Y1.2 84.388,104.086 C14.2 84.388,98.697 84.949,98.137 87.421,98.137 88.364,97.193 U1.5
OSC_OUT: C18.2 U1.6 Y1.1 | length 17
  Bottom Layer w0.254: U1.6 88.864,97.045 89.495,97.676 C18.2 89.495,103.979 89.876,104.36 Y1.1
OUT1: U1.33 U5.1 | length 174.3
  Top Layer w0.254: U5.1 8.429,25.305 8.876,24.858 8.876,8.729 9.765,7.84 21.322,7.84 21.83,8.348 21.83,15.333 22.592,16.095 35.038,16.095 35.419,16.476 35.419,35.526 36.054,36.161 65.772,36.161 69.785,40.174 69.785,62.355 71.911,64.482 78.472,64.482 78.98,64.99 78.98,69.054 81.139,71.213 v1(83.806,71.213) v1@83.933,71.213
  Bottom Layer w0.254: v1(83.806,71.213) 87.11,71.213 87.87,71.972 87.87,83.39 U1.33
OUT2: U1.27 U6.1 | length 76.8
  Top Layer w0.254: U6.1 68.284,24.759 67.922,25.12 67.922,33.275 68.649,34.002 73.118,34.002 76.293,37.177 84.499,37.177 86.659,39.337 86.659,61.068 90.864,65.274 v1(90.864,79.468)
  Bottom Layer w0.254: v1(90.864,79.468) U1.27
OUT3: U1.25 U7.1 | length 41.1
  Top Layer w0.254: v1(91.873,79.087) 91.873,65.564 87.235,60.926 87.235,56.167 88.064,55.338 95.617,55.338 96.445,56.166 U7.1
  Bottom Layer w0.254: U1.25 91.873,83.387 v1(91.873,79.087)
PWM: JP1.2 U1.45 | length 81.8
  Bottom Layer w0.254: JP1.2 20.687,105.9 21.338,105.249 67.76,105.249 69.963,103.046 69.963,89.368 70.612,88.719 U1.45
RGB: GRB1.4 U1.29 | length 163.3
  Top Layer w0.254: GRB1.4 3.671,7.228 4.075,6.824 67.784,6.824 69.852,8.892 69.852,18.023 67.414,20.461 67.414,33.485 68.439,34.51 72.907,34.51 76.082,37.685 84.246,37.685 86.038,39.476 86.151,39.589 86.151,61.279 90.156,65.283 v1(90.156,78.198)
  Bottom Layer w0.254: U1.29 89.864,80.14 90.156,79.849 v1(90.156,78.198)
RGB1: GRB4.4 U1.32 | length 113.4
  Top Layer w0.254: GRB4.4 36.432,20.669 35.927,21.175 35.927,35.272 36.308,35.653 65.982,35.653 70.293,39.963 70.293,62.145 72.122,63.974 78.682,63.974 79.488,64.779 79.488,68.8 80.758,70.07 v1(83.818,70.07)
  Bottom Layer w0.254: v1(83.818,70.07) 87.743,70.07 88.378,70.705 88.378,83.382 U1.32
RX: U1.31 UART.3 | length 13.9
  Bottom Layer w0.254: U1.31 88.864,75.806 89.902,74.769 UART.3
S_SCL: Q1.2 R8.1 U4.2 | length 11.5
  Bottom Layer w0.254: U4.2 50.58,12.158 50.148,12.59 50.148,17.997 50.621,18.47 R8.1 52.438,20.248 Q1.2
S_SDA: Q2.2 R10.1 U4.3 | length 13.5
  Bottom Layer w0.254: Q2.2 46.764,20.286 R10.1 49.53,19.636 49.53,11.924 50.566,10.888 U4.3
SCL: C27.2 Q1.3 R7.1 U1.14 | length 114.3
  Bottom Layer w0.254: Q1.3 53.476,22.698 R7.1 53.478,24.416 C27.2 53.478,32.01 53.796,32.327 68.836,32.327 70.09,33.581 70.09,56.187 71.273,57.37 97.268,57.37 98.284,58.386 98.284,88.612 98.284,88.993 97.558,89.719 U1.14
SDA: C28.2 Q2.3 R9.1 U1.15 | length 129.5
  Bottom Layer w0.254: Q2.3@44.182,21.278 Q2.3 C28.2 42.378,22.216 40.969,23.626 R9.1 40.969,32.567 41.237,32.835 68.626,32.835 69.582,33.791 69.582,56.397 71.062,57.878 97.057,57.878 97.776,58.596 97.776,88.358 97.776,88.739 97.296,89.219 U1.15
SEG1: SMG1.11 U4.8 | length 38.7
  Bottom Layer w0.254: SMG1.11 30.867,10.547 29.938,9.618 28.18,9.618 26.529,7.967 26.529,3.776 27.291,3.014 49.927,3.014 51.421,3.014 51.753,3.346 U4.8
SEG2: SMG1.7 U4.16 | length 5.2
  Bottom Layer w0.254: SMG1.7 43.166,12.793 43.801,13.428 U4.16
SEG3: SMG1.4 U4.11 | length 11.5
  Bottom Layer w0.254: SMG1.4 35.947,6.336 36.689,7.078 U4.11
SEG4: SMG1.2 U4.13 | length 18.2
  Bottom Layer w0.254: SMG1.2 30.867,7.225 31.736,8.094 41.344,8.094 42.868,9.618 U4.13
SEG5: SMG1.1 U4.14 | length 21.6
  Bottom Layer w0.254: SMG1.1 28.307,7.84 29.196,8.729 41.261,8.729 43.42,10.888 U4.14
SEG6: SMG1.10 U4.15 | length 16.6
  Bottom Layer w0.254: SMG1.10 33.407,10.36 34.403,9.364 41.007,9.364 43.801,12.158 U4.15
SEG7: SMG1.5 U4.9 | length 9.6
  Bottom Layer w0.254: SMG1.5 38.487,6.321 38.735,6.57 42.531,6.57 44.563,4.538 U4.9
SEG8: SMG1.3 U4.12 | length 14.8
  Bottom Layer w0.254: SMG1.3 33.407,6.717 34.276,7.586 41.555,7.586 42.317,8.348 U4.12
SWCLK: SWD1.4 U1.37 | length 25.2
  Bottom Layer w0.254: SWD1.4 70.344,75.785 70.09,76.039 70.09,84.421 70.388,84.719 U1.37
SWDIO: SWD1.5 U1.34 | length 20.1
  Bottom Layer w0.254: SWD1.5 86.356,78.325 87.364,79.333 U1.34
TX: U1.30 UART.4 | length 11.2
  Bottom Layer w0.254: U1.30 89.343,83.374 89.343,77.715 89.749,77.309 UART.4
pads on no net: CON1.3 GRB3.2 GRB27.2 T1.2 T2.2 T3.2 U1.2 U1.3 U1.4 U1.10 U1.11 U1.18 U1.19 U1.20 U1.21 U1.22 U1.26 U1.28 U1.35 U1.36 U1.40 U1.41 U1.42 U1.43 U5.4 U6.4 U7.4

## Polygon pours and split planes (outlines as drawn)
GND on Top Layer "Top Layer-No Net" (solid, remove dead copper, pour order 0): -0.127,6.172 cw(c10,45) -30.127,45 -30.127,95 cw(c10,95) 10,135.127 cw(c10,135) 10.001,135.127 19.873,135.127 19.873,140 cw(c20,140) 20,140.127 50,140.127 cw(c50,140) 50.127,140 50.127,135.127 60,135.127 cw(c60,95) 100.127,95 100.127,44.543 cw(c100,44.543) 100.127,44.537 cw(c60.037,46.268) 70.127,7.43 70.127,0 cw(c70,0) 70,-0.127 0,-0.127 cw(c0,0) -0.127,0
GND on Bottom Layer "Top Layer-No Net1" (solid, remove dead copper, pour order 1): -0.127,6.172 cw(c10,45) -30.127,45 -30.127,95 cw(c10,95) 10,135.127 cw(c10,135) 10.001,135.127 19.873,135.127 19.873,140 cw(c20,140) 20,140.127 50,140.127 cw(c50,140) 50.127,140 50.127,135.127 60,135.127 cw(c60,95) 100.127,95 100.127,44.543 cw(c100,44.543) 100.127,44.537 cw(c60.037,46.268) 70.127,7.43 70.127,0 cw(c70,0) 70,-0.127 0,-0.127 cw(c0,0) -0.127,0

## Other copper
Top Layer:
  pour cut-out: 81.139,107.154 96.633,107.154 96.633,95.47 96.506,95.343 81.182,95.343
Bottom Layer:
  pour cut-out: 97.558,95.216
  pour cut-out: 96.633,107.154 96.633,95.724 96.887,95.47 96.76,95.343 81.206,95.343 81.206,107.086 81.139,107.154

## Silkscreen, mask and mechanical layers (free items; w line width, h text height)
Bottom Overlay:
  drawing of 2014 lines, arcs and shapes, not listed
  text "V" at 12.432,103.328 h1.52
  text "G" at 14.845,103.328 h1.52
  text "C" at 17.512,103.328 h1.52
  text "P" at 20.179,103.328 h1.52
  text "F" at 22.465,103.328 h1.52
  text "D" at 76.804,78.579 h1.52 r90
  text "T" at 89.759,77.854 h1.52 r270
  text "C" at 76.821,76.293 h1.52 r90
  text "R" at 89.759,74.642 h1.52 r270
  text "RST" at 76.821,74.261 h1.52 r90
  text "G" at 89.775,71.797 h1.52 r270
  text "G" at 76.821,70.959 h1.52 r90
  text "V" at 89.759,70.07 h1.52 r270
  text "V" at 76.804,67.68 h1.52 r90
  text "240222" at -6.822,64.101 h5.08
  text "VM3300_V0.3" at 0.113,57.751 h5.08
Mechanical 1:
  circle w0.254: c82.5,22.5 r5
  circle w0.254: c90,110 r2.75
  circle w0.254: c82.5,117.5 r5
  circle w0.254: c90,30 r2.75
  circle w0.254: c-20,30 r2.75
  circle w0.254: c-20,110 r2.75
  circle w0.254: c-12.5,117.5 r5
  circle w0.254: c-12.5,22.5 r5
  lines w0.254: 70,7.539 70,0 0,0 0,6.27 cw(c10,45) -30,45 -30,95 cw(c10,95) 10,135 20,135 20,140 50,140 50,135 60,135 cw(c60,95) 100,95 100,44.543 cw(c60.037,46.268) 70.037,7.539 ; 2.5,42.5 ccw(c7.5,42.5) 7.5,37.5 62.5,37.5 ccw(c62.5,42.5) 67.5,42.5 67.5,97.5 ccw(c62.5,97.5) 62.5,102.5 7.5,102.5 ccw(c7.5,97.5) 2.5,97.5 2.5,42.5